# Altium PCB un52eGX16.PcbDoc (part 2 of 2)
Units mm, origin at the board's own origin, x right, y up, seen from the top; angles counter-clockwise.
Board outline 81.92 x 34.78 mm, 4 copper layers (Top Layer, Mid Layer 1, Mid Layer 2, Bottom Layer), stack 0.778 mm thick; 144 components, 102 nets, 516 pads, 217 vias.
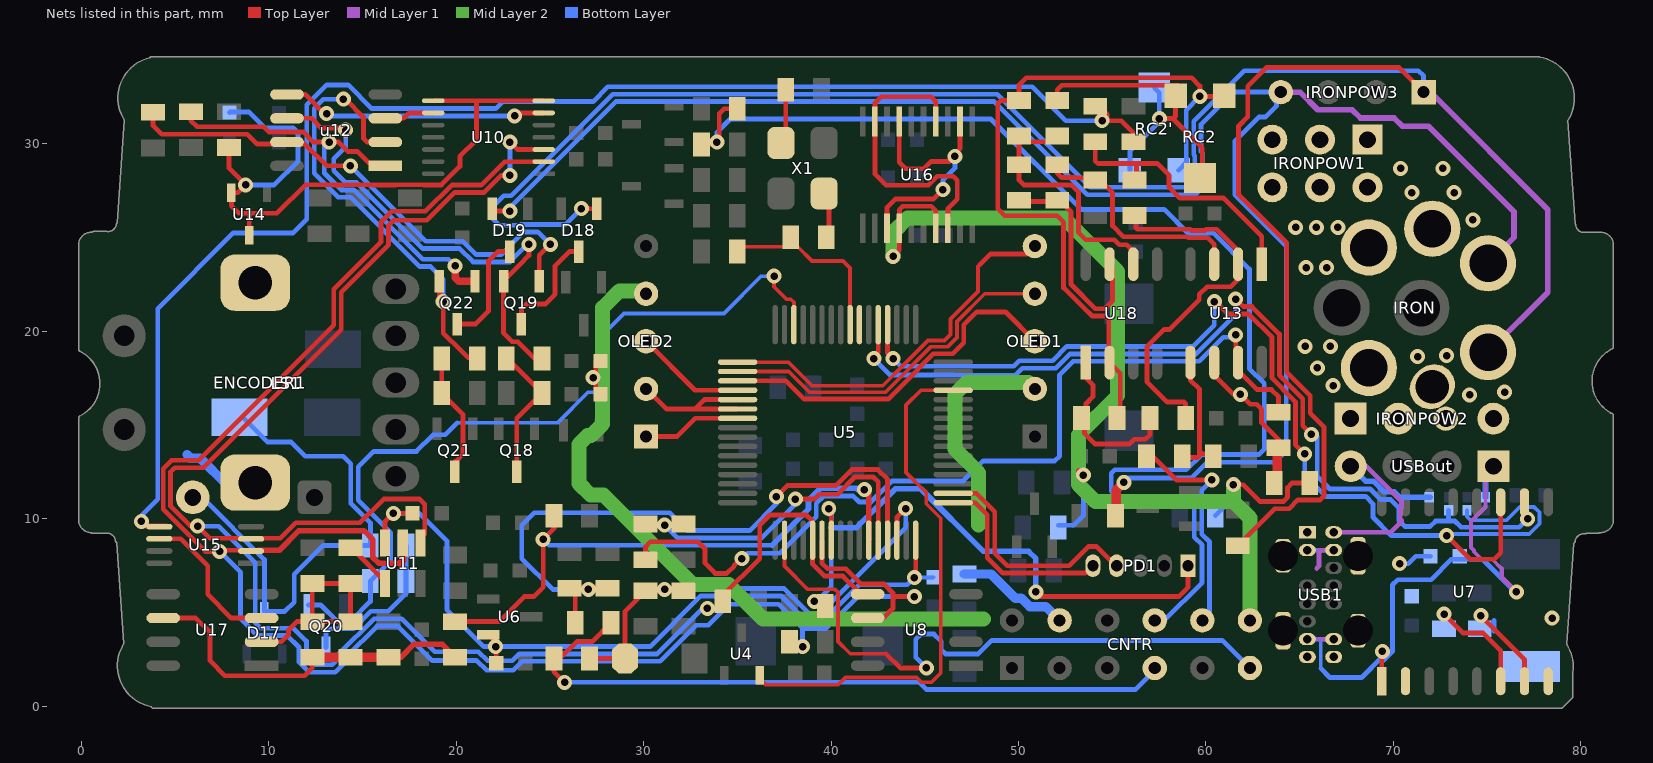
[diagram p4: the nets of this part, all layers, seen from the top]

## Via types
v1: diameter 0.8, hole 0.4, Top Layer to Bottom Layer, tented both sides, 215 vias
v2: diameter 4, hole 2.2, Top Layer to Bottom Layer, 2 vias

## Nets (pads, with @x,y where several pads share a name; then routed paths per layer and width w, separated by ;. In a path a pad name is that pad's centre, name@x,y a point inside that pad or via, vN(x,y) a via of type N, cw(c..) or ccw(c..) an arc to the next point about the centre after c; other vN are vias at no path point) (continued)
NetC57_1: C57.1 Q20.3 R32.1 | length 8.6
  Bottom Layer w0.254: Q20.3@13.05,3.107 13.05,4 13.182,4.132 14.524,4.132 15.447,5.055 16.377,5.055 17.315,5.993 C57.1@17.315,6.67 R32.1@17.315,8.575
NetC58_2: C58.2 R34.2 U10.7 U10.8 U14.2 U14.3 | length 37.3
  Top Layer w0.254: R34.2@7.874,29.809 7.874,28.702 v1(8.763,27.813) 8.343,27.393 U14.2@8,27.393 8,26.7 8.4,26.3 9,26.3 ; U14.3@8.95,25.125 8.95,26.25 9,26.3 ; U10.8@18.767,32.303 21.082,32.303 ; U10.7@24.667,32.303 21.082,32.303 ; 9,26.3 10.431,26.3 11.954,27.824 13.445,27.824 13.456,27.813 13.976,27.813 13.986,27.824 15.477,27.824 15.488,27.813 16.77,27.813 16.78,27.824 18.271,27.824 18.282,27.813 19.206,27.813 20.193,28.8 20.193,29.337 21.082,30.226 21.082,32.303
  Bottom Layer w0.254: C58.2@7.9,31.677 7.923,31.7 8.94,31.7 9.779,30.861 11.303,30.861 11.557,30.607 11.557,29.083 10.287,27.813 v1(8.763,27.813)
NetC66_1: C66.1 R49.1 R50.2 R60.1 U17.2 | length 11.6
  Top Layer w0.254: U17.2@9.61,3.429 10.668,3.429 11.049,3.81 11.049,4.064 11.491,4.506 R50.2@12.319,4.506 ; R50.2@12.319,4.506 C66.1@14.351,4.506 14.351,6.416 14.478,6.543 R60.1@12.319,6.543 R50.2@12.319,4.506
NetC66_2: C66.2 R50.1 R55.2 R58.1 U17.6 | length 19.1
  Top Layer w0.254: U17.6@4.36,4.699 6.096,4.699 6.858,3.937 6.858,2.413 7.654,1.617 11.904,1.617 12.319,2.032 R50.1@12.319,2.606
  Top Layer w0.3: R58.1@16.383,2.606 17.056,2.606 17.752,3.302 19.243,3.302 R55.2@19.939,2.606
  Top Layer w0.5: R50.1@12.319,2.606 R58.1@16.383,2.606
NetD17_3: D17.3 LS1.2 pad.2 R32.2 | length 27.5
  Bottom Layer w0.254: pad.2@5.937,11.137 6.446,11.137 9.762,7.821 D17.3@9.762,5.05 10.85,5.05 11.35,5.55 11.35,7.024 12.901,8.575 R32.2@15.416,8.575 15.416,9.772 14.372,10.815 14.372,12.928 13.965,13.335 11.938,13.335 11.176,14.097 9.906,14.097 LS1.2@8.598,15.405
NetD18_3: D18.3 Q19.3 | length 6
  Top Layer w0.254: Q19.3@23.477,20.386 23.477,21.191 23.749,21.463 24.765,21.463 25.273,21.971 25.273,23.495 26.035,24.257 D18.3@26.543,24.257
NetD19_3: D19.3 Q22.3 | length 6
  Top Layer w0.254: Q22.3@20.048,20.386 21.021,20.386 21.717,21.082 21.717,23.749 22.225,24.257 D19.3@22.86,24.257
NetENCODER1_6: ENCODER1.6 ENCODER1.7 | length 4.4
  Bottom Layer w0.5: 5.627,13.423 5.715,13.335 5.715,13.236 6.322,13.236 7.747,11.811 9.16,11.811 ENCODER1.6@9.273,11.924
NetQ18_3: Q18.3 R30.1 R31.2 | length 7.3
  Top Layer w0.254: R31.2@22.738,18.542 24.572,16.708 R30.1@24.572,16.703 24.572,16.698 23.223,15.349 Q18.3@23.223,12.512
NetQ19_1: Q19.1 R33.1 u12.7 | length 27.7
  Top Layer w0.254: R33.1@3.81,31.684 3.81,30.988 4.277,30.521 8.849,30.521 9.378,29.992 11.918,29.992 13.081,28.829 v1(14.351,28.829) ; Q19.1@24.427,22.672 24.427,24.046 v1(25.019,24.638)
  Bottom Layer w0.254: v1(14.351,28.829) 18.37,24.81 20.348,24.81 21.06,24.098 22.393,24.098 23.6,25.305 24.352,25.305 v1(25.019,24.638)
NetQ19_2: Q19.2 R31.1 u12.6 | length 26.7
  Top Layer w0.254: u12.6@10.964,31.369 12.274,31.369 12.795,30.848 14.11,30.848 14.097,30.835 v1(14.097,30.734) ; v1(23.876,24.638) 23.876,24.052 23.377,23.553 23.377,23.546 22.527,22.696 Q19.2@22.527,22.672 22.527,19.891 22.974,19.444 23.293,19.444 24.195,18.542 R31.1@24.638,18.542
  Bottom Layer w0.254: v1(14.097,30.734) 14.097,29.845 13.462,29.21 13.462,28.575 14.097,27.94 14.683,27.94 18.207,24.416 20.185,24.416 20.897,23.704 22.864,23.704 23.798,24.638 v1(23.876,24.638)
NetQ21_3: Q21.3 R35.1 R39.2 | length 6.7
  Top Layer w0.254: R39.2@19.225,18.542 R35.1@19.225,16.703 20.352,15.576 20.352,13.44 19.961,13.049 19.921,13.049 Q21.3@19.921,12.512
NetQ22_1: Q22.1 R44.1 u12.1 | length 24.4
  Top Layer w0.254: R44.1@5.842,31.709 5.842,31.242 6.169,30.915 9.725,30.915 9.999,30.641 11.826,30.641 12.368,30.099 v1(13.208,30.099) 13.716,30.099 14.224,29.591 14.732,29.591 15.494,28.829 u12.1@16.214,28.829
  Top Layer w0.4: v1(19.939,23.495) 19.939,22.86 20.127,22.672 Q22.1@20.998,22.672
  Bottom Layer w0.254: v1(13.208,30.099) 12.954,29.845 12.954,28.448 13.856,27.546 14.52,27.546 18.216,23.85 19.584,23.85 v1(19.939,23.495)
NetQ22_2: Q22.2 R39.1 u12.2 | length 24.7
  Top Layer w0.254: v1(13.97,32.385) 14.097,32.385 15.047,31.435 15.047,30.292 15.24,30.099 u12.2@16.214,30.099 ; Q22.2@19.098,22.672 19.098,21.796 v1(19.304,21.59) 19.304,19.902 19.762,19.444 19.78,19.444 20.616,18.608 R39.1@21.125,18.608
  Bottom Layer w0.254: v1(13.97,32.385) 12.9,32.385 12.414,31.899 12.414,28.431 13.693,27.152 14.356,27.152 18.052,23.456 18.626,23.456 19.304,22.778 v1(19.304,21.59)
NetR25_1: R25.1 U7.6 | length 5.5
  Top Layer w0.254: v1(72.72,4.902) 73.729,3.893 74.807,3.893 75.738,2.962 U7.6@75.738,1.325
NetR26_1: R26.1 U7.7 | length 5
  Top Layer w0.254: v1(74.676,4.826) 77.008,2.494 U7.7@77.008,1.325
  Bottom Layer w0.254: 75.387,4.003 75.387,4.572
NetR37_1: R37.1 R38.2 U13.6 | length 8.3
  Top Layer w0.254: U13.6@60.452,18.33 60.452,17.649 61.464,16.637 v1(61.849,16.637) 62.382,16.104 62.713,16.104 62.979,15.839 62.979,15.126 63.881,14.224 R38.2@63.881,13.782
  Top Layer w0.5: R37.1@63.82,11.938 63.82,13.721 R38.2@63.881,13.782
NetR38_1: R38.1 R45.2 U13.7 | length 47.3
  Top Layer w0.254: R45.2@30.099,7.813 30.099,8.509 30.353,8.763 32.893,8.763 33.274,8.382 33.274,7.62 33.814,7.08 34.439,7.08 34.83,7.471 34.83,7.525 35.179,7.874 v1(35.242,7.874) ; v1(61.595,19.812) 61.595,18.034 62.738,16.891 63.5,16.891 63.881,16.51 R38.1@63.881,15.936
  Bottom Layer w0.254: v1(35.242,7.874) 35.529,8.161 37.263,8.161 39.211,10.109 39.211,10.817 39.602,11.208 41.189,11.208 41.507,10.89 42.132,10.89 43.258,12.016 47.068,12.016 48.133,13.081 51.943,13.081 52.197,13.335 52.197,17.682 52.917,18.401 59.648,18.401 60.931,19.685 61.595,19.685 v1(61.595,19.812)
NetR42_1: R42.1 R48.1 U13.5 | length 7
  Top Layer w0.254: R42.1@58.672,13.272 59.563,13.272 59.658,13.367 59.658,13.621 ; U13.5@59.182,18.33 59.182,17.399 59.658,16.923 59.658,13.621 ; R48.1@60.391,13.462 59.817,13.462 59.658,13.621
NetR52_1: R52.1 R53.2 U13.2 | length 19.9
  Top Layer w0.254: R53.2@56.274,26.177 56.274,25.514 56.343,25.445 59.162,25.445 59.224,25.383 59.956,25.383 60.018,25.445 60.583,25.445 61.722,24.306 U13.2@61.722,23.58 61.722,22.765 61.341,22.384 60.066,22.384 59.653,21.971 59.653,21.68 58.076,20.103 57.785,20.103 56.862,19.18 56.862,17.306 57.944,16.224 58.833,16.224 58.923,16.134 R52.1@58.923,15.367
NetR52_2: R52.2 R54.2 U18.1 | length 8.9
  Top Layer w0.254: U18.1@53.594,18.33 53.594,17.526 53.975,17.145 53.975,16.51 53.607,16.142 53.607,15.314 53.533,15.24 53.533,14.539 54.089,13.983 55.918,13.983 56.172,14.237 56.769,14.237 57.023,14.491 R52.2@57.023,15.367
NetR53_1: R53.1 R56.2 U13.1 | length 14.1
  Top Layer w0.254: R56.2@54.102,30.114 54.102,29.083 54.229,28.956 56.261,28.956 ; R53.1@56.481,28.37 56.296,28.555 56.296,28.921 56.261,28.956 ; U13.1@62.992,23.58 62.992,25.073 60.952,27.113 58.612,27.113 58.039,27.686 58.039,28.321 57.404,28.956 56.261,28.956
NetR54_1: R54.1 R57.2 RC2'.1 RC2.1 U18.2 | length 40.4
  Top Layer w0.254: R54.1@55.433,15.24 55.433,17.761 U18.2@54.864,18.33 54.815,18.379 54.815,20.623 54.623,20.815 53.939,20.815 53.877,20.877 ; RC2.1@60.99,32.58 60.945,32.535 v1(59.69,32.535) 59.69,33.09 59.252,33.528 50.419,33.528 50.038,33.147 R57.2@50.038,32.319 49.083,32.319 48.895,32.131 48.895,26.543 49.276,26.162 52.07,26.162 52.412,25.82 52.412,22.313 53.721,21.004 ; 53.721,21.004 53.848,20.877 53.877,20.877 ; 53.721,21.004 53.75,21.004 53.877,20.877
  Bottom Layer w0.254: RC2'.1@58.55,28.6 RC2'.1@58.96,29.01 ; v1(59.69,32.535) 58.96,31.805 58.96,29.569 58.96,29.26 ; RC2'.1@58.96,29.01 58.972,29.022 58.972,29.249 58.96,29.26 ; RC2'.1@58.96,29.01 58.96,29.26
NetR57_1: R57.1 R59.2 R62.2 U18.6 | length 13.3
  Top Layer w0.254: R57.1@50.038,30.419 50.038,28.067 50.292,27.813 52.831,27.813 53.2,27.444 53.2,25.286 53.594,24.892 55.114,24.892 55.386,24.62 55.771,24.62 56.134,24.257 U18.6@56.134,23.58 ; 50.727,30.114 R59.2@52.07,30.114
NetR59_1: R59.1 RC2'.2 RC2'.3 RC2.2 RC2.3 | length 18.1
  Top Layer w0.254: R59.1@52.07,32.319 52.07,32.88 52.324,33.134 58.56,33.134 RC2.3@58.817,32.877 ; v1(57.522,31.35) 58.25,31.35 ; RC2.3@58.39,32.58 58.39,31.49 58.25,31.35 ; RC2.2@59.817,28.553 59.817,29.783 58.25,31.35
  Bottom Layer w0.254: RC2'.3@55.95,28.6 55.95,29.6 57.522,31.172 v1(57.522,31.35) 57.522,32.728 RC2'.2@57.25,33
NetR62_1: R62.1 R65.2 U18.7 | length 11.8
  Top Layer w0.254: R62.1@50.038,26.99 50.104,26.924 52.263,26.924 52.806,26.381 52.806,22.505 54.102,21.209 54.61,21.209 55.023,21.622 55.023,23.421 U18.7@54.864,23.58
NetR63_2: R63.2 R65.1 U13.3 | length 12.9
  Top Layer w0.254: R65.1@52.07,28.89 52.07,28.448 52.311,28.207 52.994,28.207 53.007,28.194 54.244,28.194 R63.2@54.432,28.382 ; R63.2@54.102,28.077 54.346,28.077 55.023,27.4 55.023,25.622 55.594,25.051 58.998,25.051 59.06,24.989 60.101,24.989 60.452,24.638 U13.3@60.452,23.58
NetR71_2: R71.2 X1.1 | length 3.4
  Top Layer w0.254: X1.1@37.585,29.544 37.585,32.886 R71.2@37.592,32.893
NetR72_1: R72.1 X1.3 | length 1.8
  Top Layer w0.254: R72.1@39.885,25.019 X1.3@39.885,26.844
NetU10_6: U10.6 u12.5 | length 14.2
  Top Layer w0.254: u12.5@10.964,32.639 11.938,32.639 12.954,31.623 v1(13.081,31.623) ; v1(23.114,31.496) 23.271,31.653 U10.6@24.667,31.653
  Bottom Layer w0.254: v1(13.081,31.623) 13.208,31.496 v1(23.114,31.496)
NetU10_9: U10.9 u12.3 | length 2.7
  Top Layer w0.254: u12.3@16.214,31.369 17.194,31.369 17.478,31.653 U10.9@18.767,31.653
NetU15_6: U15.6 U17.3 | length 8.1
  Top Layer w0.254: U15.6@4.15,8.925 5.299,8.925 6.731,7.493 6.731,5.969 8.001,4.699 U17.3@9.61,4.699
NetU16_3: U16.3 U16.12 U16.17 | length 14.3
  Top Layer w0.254: U16.3@42.985,25.5 42.993,25.508 42.993,26.61 43.447,27.064 45.479,27.064 v1(45.974,27.559) ; U16.17@43.635,31.2 43.635,29.411 43.635,29.009 43.974,28.67 44.955,28.67 ; 44.958,28.673 44.955,28.67 ; U16.12@46.885,31.2 46.885,29.994 ; 46.893,30.002 46.885,29.994 ; 44.955,28.67 45.349,29.064 46.336,29.064 v1(46.609,29.337) 46.482,29.337 46.885,29.74 46.885,29.994
  Bottom Layer w0.254: v1(45.974,27.559) 45.974,28.067 46.609,28.702 v1(46.609,29.337)
NetU16_8: U16.8 U16.14 U16.19 | length 14.6
  Top Layer w0.254: U16.14@45.593,31.965 45.593,32.258 45.339,32.512 42.672,32.512 42.343,32.183 42.343,28.396 42.939,27.8 45.199,27.8 45.675,28.276 46.527,28.276 46.736,28.067 46.736,27.051 46.243,26.558 46.243,26.201 U16.8@46.26,26.184
"OLED CS": OLED2.3 U5.52 | length 6
  Top Layer w0.254: OLED2.3@30.127,19.468 32.74,16.855 U5.52@35.015,16.855
"OLED D/C": OLED2.2 U5.53 U5.54 | length 7.8
  Top Layer w0.254: OLED2.2@30.127,16.928 31.2,15.855 32.766,15.855 ; U5.54@35.015,15.855 32.766,15.855 ; U5.53@35.015,16.355 33.246,16.355 33.246,16.335 32.766,15.855
"OLED RES": OLED2.1 U5.55 | length 5.3
  Top Layer w0.254: OLED2.1@30.127,14.388 31.787,14.388 32.754,15.355 U5.55@35.015,15.355
"OLED SCK": OLED1.5 U5.49 | length 20.7
  Top Layer w0.2: U5.49@35.015,18.355 37.719,18.355 38.984,17.09 42.76,17.09 43.947,18.277 43.947,18.283 45.173,19.509 46.052,19.509 46.378,19.835 46.378,20.659 47.842,22.123 47.842,23.458 47.912,23.528
  Top Layer w0.254: 47.912,23.528 48.514,24.13 50.459,24.13 OLED1.5@50.877,24.548
"OLED SDI": OLED1.4 U5.50 | length 19
  Top Layer w0.2: U5.50@35.015,17.855 37.738,17.855 38.843,16.75 42.901,16.75 44.287,18.136 44.287,18.142 45.314,19.169 46.22,19.169 46.718,19.667 46.718,20.518 48.208,22.008 OLED1.4@50.877,22.008
"OLED SDO": OLED1.3 U5.51 | length 19.4
  Top Layer w0.254: U5.51@35.015,17.355 37.592,17.355 38.564,16.383 43.053,16.383 44.654,17.984 44.654,17.99 45.466,18.802 46.488,18.802 47.085,19.399 47.085,20.342 47.777,21.034 49.311,21.034 OLED1.3@50.877,19.468
ON/OFF: CNTR.11 U5.2 | length 34.1
  Top Layer w0.2: U5.2@37.517,8.853 37.517,7.468 38.757,6.228 40.21,6.228 40.369,6.068 40.369,4.164 40.37,3.445 41.021,2.794 42.926,2.794
  Top Layer w0.254: 42.926,2.794 43.688,2.032 v1(45.085,2.032)
  Bottom Layer w0.254: v1(45.085,2.032) 44.52,2.597 44.52,3.553 44.809,3.842 45.488,3.842 45.879,3.451 45.879,3.016 46.113,2.782 47.856,2.782 48.579,3.505 60.884,3.505 CNTR.11@62.357,2.032
OSC1: C55.1 R72.2 U5.40 | length 9.6
  Top Layer w0.2: C55.1@34.986,24.257 35.24,24.511 38.227,24.511 38.984,23.754 40.635,23.754 41.016,23.373 41.016,20.358 U5.40@41.017,20.357
OSC2: U5.39
PGC: PD1.5 U5.17 | length 10.5
  Top Layer w0.254: U5.17@46.519,10.855 47.692,10.855 48.342,10.205 48.342,7.919 49.162,7.099 53.581,7.099 PD1.5@53.975,7.493
PGD: PD1.4 U5.18 | length 12.5
  Top Layer w0.254: U5.18@46.519,11.355 47.749,11.355 48.736,10.368 48.736,8.16 49.403,7.493 52.705,7.493 53.721,8.509 54.175,8.509 55.191,7.493 PD1.4@55.245,7.493
SCL: R28.2 U5.6 U8.6 U10.2 U11.5 U15.2 | length 104.5
  Top Layer w0.254: U15.2@9.435,8.311 7.422,8.311 v1(7.366,8.255) 6.602,8.255 5.533,9.324 5.533,9.333 4.356,10.51 4.356,12.663 4.806,13.113 6.255,13.113 13.462,20.32 13.462,22.25 15.977,24.765 15.977,25.822 16.555,26.401 18.351,26.401 19.755,27.804 21.327,27.804 22.576,29.053 U10.2@24.667,29.053 ; U5.6@39.517,8.853 39.517,7.629 39.817,7.329 40.797,7.329 41.615,6.511 42.829,6.511 43.307,6.032 43.307,5.715 ; U8.6@41.952,4.699 42.799,4.699 43.307,5.207 43.307,5.715 ; v1(44.45,5.842) 43.434,5.842 43.307,5.715
  Top Layer w0.3: U15.2@9.435,8.311 10.552,8.311 11.603,9.362 15.068,9.362 15.539,8.891 15.539,7.941 15.8,7.68 15.815,7.68 15.875,7.62 17.018,7.62 ; U11.5@17.272,8.695 U11.5@17.272,8.971
  Top Layer w0.4: 17.018,7.62 17.145,7.747 U11.5@17.145,8.695
  Bottom Layer w0.254: v1(7.366,8.255) 8.485,7.136 8.485,4.667 9.392,3.761 10.974,3.761 11.606,3.129 11.606,2.353 12.153,1.806 13.534,1.806 14.132,2.404 14.132,2.626 15.773,4.267 16.883,4.267 18.723,2.427 21.096,2.427 21.619,1.905 23.036,1.905 23.518,2.387 30.884,2.387 32.815,4.318 33.455,4.318 34.572,5.435 37.211,5.435 38.513,4.133 ; v1(38.481,3.175) 38.481,4.101 38.513,4.133 ; v1(44.45,5.842) 41.428,5.842 39.719,4.133 38.513,4.133
SDA: R27.2 U5.5 U8.5 U10.3 U11.4 U15.3 | length 100
  Top Layer w0.254: U11.4@18.115,8.971 18.316,9.172 18.316,10.779 18.046,11.049 16.129,11.049 14.859,9.779 11.43,9.779 10.612,8.961 6.839,8.961 v1(6.2,9.6) 5.824,9.6 4.75,10.674 4.75,12.5 4.969,12.719 6.496,12.719 13.856,20.079 13.856,22.087 16.383,24.614 16.383,25.654 16.653,25.924 18.431,25.924 19.918,27.41 21.49,27.41 22.401,28.321 v1(22.86,28.321) ; v1(22.86,30.099) 23.256,29.703 U10.3@24.667,29.703 ; v1(33.401,5.207) 33.848,5.207 R27.2@34.229,5.588 34.229,5.908 36.195,7.874 36.195,9.652 36.739,10.196 38.674,10.196 39.017,9.853 U5.5@39.017,8.853 39.017,7.572 39.654,6.935 40.634,6.935 41.6,5.969 U8.5@41.952,5.969
  Bottom Layer w0.254: v1(6.2,9.6) 7.32,9.6 9.27,7.65 9.27,4.439 9.555,4.155 11.311,4.155 12,3.466 12,2.516 12.316,2.2 13.371,2.2 13.738,2.568 13.738,2.789 15.61,4.661 17.089,4.661 18.854,2.896 21.184,2.896 21.668,2.413 22.987,2.413 23.355,2.781 30.721,2.781 33.147,5.207 v1(33.401,5.207) ; v1(22.86,28.321) v1(22.86,30.099)
SENSEA: D19.2 IRON.2 IRONPOW3.4 R61.2 | length 102.2
  Top Layer w0.254: D19.2@21.91,26.543 22.037,26.416 v1(22.86,26.416) ; v1@55.499,11.938 v1(55.626,11.938)
  Top Layer w0.5: R61.2@55.228,10.618 55.228,11.54 v1(55.626,11.938)
  Mid Layer 1 w0.3: IRONPOW3.4@64.003,32.766 65.034,32.766 65.974,31.826 67.81,31.826 68.25,31.386 70.048,31.386 70.488,30.946 71.882,30.946 76.45,26.378 76.45,25.016 IRON.2@75.062,23.628
  Bottom Layer w0.254: v1(22.86,26.416) 22.86,26.597 28.521,32.258 48.706,32.258 53.675,27.289 59.424,27.289 59.811,27.676 59.811,29.524 59.748,29.587 59.748,31.043 61.472,32.767 IRONPOW3.4@64.003,32.766 IRONPOW3.4@64.003,32.766 ; v1(55.626,11.938) 55.626,12.027 55.48,12.173 59.238,12.173 60.071,13.006 63.679,13.006 64.3,13.627 64.3,24.55 61.55,27.3 61.55,30.15 62.833,31.433 63.183,31.433 63.767,32.017 63.767,32.226 63.697,32.297 IRONPOW3.4@64,32.6
SENSEB: D18.1 IRON.1 IRONPOW3.1 R64.2 | length 125
  Top Layer w0.254: v1@26.543,26.543 v1(26.67,26.543) D18.1@27.493,26.543 ; R64.2@61.706,8.562 63.672,10.528 64.441,10.528 64.911,10.998 66.105,10.998 66.304,11.197 66.304,14.896 65.571,15.629 65.571,16.569 64.322,17.818 64.322,24.728 61.75,27.3 61.75,30.957 62.233,31.44 62.233,33.083 63.227,34.077 70.312,34.077 IRONPOW3.1@71.623,32.766
  Mid Layer 1 w0.3: IRONPOW3.1@71.623,32.766 71.984,32.766 78.25,26.5 78.25,22.076 IRON.1@75.062,18.888
  Bottom Layer w0.254: v1(26.67,26.543) 25.826,25.699 23.437,25.699 23.392,25.654 22.294,25.654 21.921,26.027 21.921,26.62 22.529,27.228 22.932,27.228 28.356,32.652 48.87,32.652 53.839,27.683 59.261,27.683 59.417,27.839 59.417,29.361 59.354,29.424 59.354,31.206 62.057,33.909 71.341,33.909 71.623,33.627 IRONPOW3.1@71.623,32.766 ; IRONPOW3.1@71.89,32.6 IRONPOW3.1@71.89,32.766
SGND: C63.2 C64.2 CNTR.12 R37.2 U16.4 U16.7 | length 61.6
  Top Layer w0.254: v1(43.307,24.003) 43.635,24.331 U16.4@43.635,25.5 43.635,26.49 43.669,26.524 ; U16.4@43.643,25.611 43.669,25.636 43.669,26.524 ; U16.7@45.585,25.5 45.585,26.424 ; 45.593,26.416 45.585,26.424 ; v1@53.206,12.58 v1(53.467,12.319) v1@53.594,12.192 ; v1(61.468,11.811) 61.989,11.811 62.878,10.922 64.15,10.922 64.15,10.943 64.361,11.154 64.361,11.661 64.6,11.9 R37.2@65.55,11.9 ; R37.2@65.72,11.9 R37.2@65.72,12.065 ; 43.669,26.524 43.815,26.67 45.339,26.67 45.585,26.424
  Mid Layer 2 w0.8: v1(43.307,24.003) 43.307,25.273 44.069,26.035 52.451,26.035 55.296,23.19 55.296,16.561 53.213,14.478 53.213,11.811 54.102,10.922 61.468,10.922 ; v1(61.468,11.811) 61.468,10.922 ; CNTR.12@62.357,4.445 CNTR.12@62.357,4.572 62.357,10.033 61.468,10.922
  Bottom Layer w0.254: C63.2@52.131,9.652 52.959,9.652 53.467,10.16 v1(53.467,12.319) ; C64.2@60.513,10.16 61.468,11.115 v1(61.468,11.811)
SHUNT: CNTR.10 R42.2 | length 12.1
  Top Layer w0.254: R42.2@56.772,13.272 57.215,13.272 58.421,12.065 v1(60.325,12.065)
  Bottom Layer w0.254: CNTR.10@59.817,4.572 60.198,4.953 60.198,8.763 59.779,9.182 59.779,11.519 v1(60.325,12.065)
SLEEP: CNTR.8 R12.1 R23.2 | length 68.2
  Top Layer w0.254: R12.1@33.086,29.972 33.782,29.972 v1(33.909,30.099) 34.036,30.226 34.036,31.623 34.29,31.877 R23.2@34.986,31.877
  Bottom Layer w0.254: v1(33.909,30.099) 33.909,30.607 34.632,31.33 48.52,31.33 53.349,26.501 57.778,26.501 59.051,25.228 60.421,25.228 62.331,23.318 62.331,18.011 63.119,17.223 63.119,13.716 62.827,13.424 59.779,13.424 58.96,12.605 55.15,12.605 54.959,12.414 54.959,11.462 55.232,11.189 59.229,11.189 59.385,11.033 59.385,9.018 59.804,8.6 59.804,6.591 57.785,4.572 CNTR.8@57.277,4.572
SPEAKER: C57.2 Q20.1 U5.46 | length 43.6
  Top Layer w0.2: v1(36.956,22.944) 36.956,22.379 37.624,21.712 37.851,21.712 38.017,21.546 U5.46@38.017,20.357
  Bottom Layer w0.2: 20.051,15.113 25.4,15.113 27.035,16.748 27.432,16.748 28.067,17.383 28.067,20.066 28.956,20.955 34.29,20.955 36.279,22.944 v1(36.956,22.944)
  Bottom Layer w0.254: Q20.1@12.1,5.393 12.772,5.393 13.639,4.526 14.361,4.526 15.416,5.581 C57.2@15.416,6.67 16.492,7.747 16.492,9.253 14.766,10.979 14.766,12.766 15.589,13.589 17.871,13.589 18.76,14.478 19.416,14.478 20.051,15.113
USBD+: R102.2 U5.37 U7.10 | length 49.2
  Top Layer w0.254: v1(42.291,18.542) 42.291,18.669 42.517,18.895 U5.37@42.517,20.357 ; v1(61.595,21.717) 61.995,21.317 62.462,21.317 63.928,19.851 63.928,17.655 65.177,16.406 65.177,14.96 v1(65.637,14.5)
  Bottom Layer w0.254: v1(42.291,18.542) 43.167,17.666 46.518,17.666 46.531,17.653 49.833,17.653 50.214,18.034 51.992,18.034 52.753,18.795 59.484,18.795 61.595,20.906 v1(61.595,21.717) ; v1(65.637,14.5) 65.85,14.5 65.945,14.405 65.945,12.255 66.616,11.584 68.766,11.584 69.333,11.017 69.876,11.017 70.3,10.593 70.3,9.907 70.624,9.583 71.976,9.583 72.263,9.869 72.95,9.869 ; R102.2@72.958,10.45 72.95,10.442 72.95,9.869 ; v1(77.172,9.989) 76.726,9.543 73.626,9.543 73.3,9.869 72.95,9.869
USBD-: R103.2 U5.36 U7.11 | length 59.5
  Top Layer w0.254: U5.36@43.017,20.357 43.017,18.832 v1(43.307,18.542) ; v1(60.452,21.59) 60.525,21.59 61.192,20.923 62.299,20.923 63.534,19.688 63.534,17.492 64.626,16.4 64.626,16.394 64.783,16.237 64.783,15.127 64.77,15.114 64.783,15.101 64.783,13.957 v1(65.278,13.462) ; v1(72.85,9.1) 74.117,7.833 75.383,7.833 75.738,8.188 U7.11@75.738,10.875
  Bottom Layer w0.2: v1(72.85,9.1) 72.926,9.176 77.264,9.176 77.812,9.724 77.812,10.338 77.521,10.629 76.75,10.629 76.031,9.91 74.14,9.91 73.942,10.108 R103.2@73.942,10.45
  Bottom Layer w0.254: v1(43.307,18.542) 43.72,18.129 49.752,18.129 50.051,18.428 51.829,18.428 52.59,19.189 59.321,19.189 60.452,20.32 v1(60.452,21.59) ; v1(65.278,13.462) 65.278,12.322 66.41,11.19 68.526,11.19 68.917,10.799 68.917,10.09 69.907,9.1 v1(72.85,9.1)
USBGND: C53.2 C54.1 R101.1 RGND1.2 U7.2 U7.8 USB1.1 USB1.7 USB1.8 USB1.14 USB1.15 USBout.4 | length 15.4
  Mid Layer 1 w0.254: USB1.14@66.823,9.271 69.871,9.271 70.45,9.85 70.45,9.907 70.383,9.974 70.383,10.526 70.45,10.593 70.45,10.9 68.45,12.9 USBout.4@67.56,12.9
  Bottom Layer w0.254: v1(70.35,7.6) 70.809,7.6 71.21,8.001 C53.2@71.994,8.001
  Bottom Layer w0.3: USBout.4@67.73,12.8 68.529,12.001 68.949,12.001 69.516,11.434 70.049,11.434 70.333,11.15 R101.1@71.975,11.15
  other v1: 78.486,4.699
VABC: C62.1 R55.1 U5.11 | length 31.1
  Top Layer w0.254: R55.1@19.939,4.506 22.286,4.506 23.622,5.842 24.13,5.842 24.638,6.35 v1(24.638,8.89) 25.212,9.464 C62.1@25.212,10.16
  Top Layer w0.3: v1(41.783,11.557) 42.017,11.323 U5.11@42.017,8.853
  Bottom Layer w0.254: v1(24.638,8.89) 24.95,8.578 36.849,8.578
  Bottom Layer w0.3: 36.849,8.578 38.794,10.523 38.794,10.99 39.429,11.625 41.361,11.625 41.429,11.557 v1(41.783,11.557)
VACDC: C61.2 R47.2 R51.2 U5.13 | length 35.3
  Top Layer w0.254: R51.2@26.035,6.289 26.355,5.969 R47.2@26.355,4.445 ; v1(37.084,11.176) 37.673,11.765 40.259,11.765 41.112,12.618 42.5,12.618 43.017,12.101 U5.13@43.017,8.853
  Top Layer w0.4: R51.2@26.035,6.289 C61.2@28.067,6.289
  Bottom Layer w0.254: v1(27.051,6.223) 25.146,6.223 23.495,7.874 23.495,9.652 24.162,10.319 31.391,10.319 32.344,9.366 35.655,9.366 37.084,10.795 v1(37.084,11.176)
VBUS1: C53.1 R104.1 U7.1 USB1.2 USB1.6 USB1.9 USB1.13 USBout.1 | length 36.7
  Top Layer w0.254: U7.1@69.388,1.325 69.388,2.884 v1(69.426,2.922) v1@69.426,2.73
  Mid Layer 1 w0.2: USBout.1@75.35,12.8 74.925,12.375 74.925,10.625 74.15,9.85 74.15,8.46 74.31,8.3 74.31,8.235 74.685,7.86 75.262,7.86 75.8,7.321
  Mid Layer 1 w0.254: 65.919,7.342 66.04,7.463 66.04,8.321 USB1.13@66.823,8.321 ; 66.04,3.571 USB1.9@66.823,3.571 ; USBout.1@75.18,12.9 USBout.1@75.315,12.765 ; USBout.1@75.35,12.8 USBout.1@75.8,12.35 ; 75.8,7.321 75.8,6.877 v1(76.581,6.096)
  Bottom Layer w0.2: 66.133,2.017 66.133,3.571
  Bottom Layer w0.254: USB1.6@65.423,3.571 66.133,3.571 USB1.9@66.823,3.571 ; USB1.2@65.423,8.321 USB1.13@66.823,8.321 ; 66.133,2.017 66.626,1.524 68.326,1.524 v1@69.426,2.624 ; v1(69.426,2.922) v1@69.426,2.624 ; v1@76.553,6.012 76.581,5.984 v1(76.581,6.096) 76.501,6.096 74.768,7.83 73.108,7.83 72.019,6.741 70.241,6.741 69.96,6.46 69.96,2.904 69.469,2.413 69.426,2.456 v1@69.426,2.624
  Bottom Layer w0.3: R104.1@74.925,11.15 74.925,12.375 USBout.1@75.35,12.8
VGND: c34.1 c35.1 c88.1 CNTR.4 OLED1.2 OLED2.4 | length 57.3
  Top Layer w0.254: c34.1@27.447,16.637 c35.1@27.447,18.415
  Mid Layer 2 w0.8: OLED2.4@29.986,22.149 28.702,22.149 27.813,21.26 27.813,15.054 27.186,14.427 27,14.427 26.543,13.97 26.543,11.879 27.17,11.252 27.864,11.252 32.639,6.477 34.544,6.477 36.373,4.648 48.133,4.648 ; 47.879,9.652 47.879,12.446 46.609,13.716 46.609,16.637 47.244,17.272 50.533,17.272 OLED1.2@50.877,16.928 ; CNTR.4@52.197,4.445 CNTR.4@52.197,4.572
  Bottom Layer w0.5: c88.1@47.117,7.046 48.539,7.046 49.823,5.762 50.15,5.762 50.606,5.306 51.463,5.306 CNTR.4@52.197,4.572
  other v1: 27.305,17.526
VIN: CNTR.7 R43.1 R47.1 | length 37.4
  Top Layer w0.254: v1(25.781,1.27) 25.212,1.839 R43.1@25.212,2.54 25.527,2.54 26.429,3.442 27.252,3.442 R47.1@28.255,4.445
  Bottom Layer w0.254: v1(25.781,1.27) 44.704,1.27 45.085,0.889 56.261,0.889 CNTR.7@57.277,1.905
VINT: C60.1 R43.2 R46.1 U5.14 ZD4.2 | length 26.4
  Top Layer w0.254: R43.2@27.112,2.54 28.879,2.54 29.006,2.413 ZD4.2@29.006,2.54 29.006,5.064 R46.1@30.099,6.157 C60.1@32.131,6.157 ; U5.14@43.517,8.853 43.517,10.075 v1(43.983,10.541)
  Bottom Layer w0.254: v1(31.115,6.223) 31.16,6.268 37.493,6.268 38.84,4.921 39.392,4.921 43.983,9.511 v1(43.983,10.541)
VOFF: R49.2 U11.1 | length 2.6
  Top Layer w0.254: R49.2@14.478,8.443 14.478,8.382 16.195,6.665 U11.1@16.195,6.545
VOUT1+: IRON.3 IRONPOW1.1 IRONPOW1.3 IRONPOW1.5
  other v1: 74.25,25.95 71,27.4 73.25,27.4 70.4,28.7 72.65,28.7
VOUT1-: IRON.4 IRONPOW1.2 IRONPOW1.4 IRONPOW1.6
  other v1: 65.35,23.4 66.451,23.4 64.8,25.55 65.901,25.55 67.05,25.55
VOUT2+: IRON.7 IRONPOW2.3 IRONPOW2.4
  other v1: 74.08,16.61 75.95,16.75 71.3,18.65 72.85,18.7
VOUT2-: IRON.6 IRONPOW2.1 IRONPOW2.2
  other v1: 66.8,17.1 65.95,18.05 65.3,19.2 66.65,19.2
VPP: PD1.1 R11.2 U5.7 | length 32
  Top Layer w0.254: v1(39.878,10.541) 40.017,10.402 U5.7@40.017,8.853 ; v1(50.93,6.099) 51.187,5.842 58.547,5.842 59.055,6.35 PD1.1@59.055,7.493
  Bottom Layer w0.254: v1(39.116,5.588) 39.243,5.588 40.017,6.362 40.017,9.525 40.017,10.148
  Bottom Layer w0.3: v1(39.878,10.541) 40.017,10.402 40.017,10.148 ; 40.017,9.525 41.357,9.525 43.431,11.599 44.789,11.599 48.133,8.255 50.546,8.255 50.93,7.871 v1(50.93,6.099) 50.93,5.972 v1@50.927,5.969
VREF: C42.1 C43.1 C44.1 U5.16 U6.2 U11.6 | length 43.2
  Top Layer w0.254: U11.6@16.195,8.695 16.195,9.845 v1@16.495,10.145 ; v1@16.495,10.287 v1@16.495,10.145 ; C43.1@17.668,10.287 v1(16.637,10.287) v1@16.495,10.145 ; U6.2@21.717,3.81 22.134,3.393 C42.1@22.134,2.286 ; v1(44.45,6.858) 44.517,6.925 U5.16@44.517,8.853
  Bottom Layer w0.2: v1(44.45,6.858) 45.451,6.858 C44.1@45.466,6.873
  Bottom Layer w0.254: v1(16.637,10.287) 18.023,10.287 19.5,8.81 19.5,5.138 21.463,3.175 v1(22.098,3.175) 30.353,3.175 33.052,5.874 37.33,5.874 38.677,4.527 39.555,4.527 41.505,6.477 44.069,6.477 v1(44.45,6.858)
VRT: U4.2 U5.29 | length 28.3
  Top Layer w0.2: U4.2@36.129,1.524 36.51,1.143 40.386,1.143 40.767,1.524 44.577,1.524 44.831,1.27 45.355,1.27 45.852,1.767 45.852,10.028 45.085,10.795 45.085,11.43 45.05,11.465 45.006,11.465 44.003,12.469 44.003,16.063 44.795,16.855 U5.29@46.519,16.855
VSHUNT: C59.1 R45.1 U5.12 | length 16.3
  Top Layer w0.254: v1(38.1,11.049) 39.116,11.049 39.37,11.303 40.354,11.303 41.275,12.224 42.259,12.224 42.517,11.966 42.517,8.887 42.5,8.87 U5.12@42.517,8.853
  Bottom Layer w0.254: v1(31.115,9.652) 31.795,8.972 36.3,8.972 v1@38.227,10.899
VTEMP: C65.1 R56.1 U15.5 | length 77.7
  Top Layer w0.254: v1(3.2,9.85) 3.439,9.611 U15.5@4.535,9.611 ; C65.1@56.134,30.114 56.134,30.607 55.499,31.242 v1@54.737,31.242 ; v1@54.737,31.242 54.737,31.586 54.465,31.859 v1(54.465,31.242) v1@54.737,31.242
  Bottom Layer w0.254: v1(3.2,9.85) 3.2,9.885 3.05,10.035 4.064,11.049 4.064,21.209 8.105,25.25 11.3,25.25 12.02,25.97 12.02,32.086 13.081,33.147 14.224,33.147 15.481,31.89 22.111,31.89 22.479,32.258 27.305,32.258 28.093,33.046 50.728,33.046 52.532,31.242 ; 52.532,31.242 v1(54.465,31.242)
pads on no net: LS1.3 U5.4 U5.21 U5.22 U5.23 U5.24 U5.27 U5.31 U5.32 U5.47 U5.58 U5.59 U5.60 U5.61 U10.11 U16.15 U17.1 U17.5 U17.8 USB1.5 USB1.12
copper on no net:
  other v2: 4.5,26.543 76,32.35

## Polygon pours and split planes (outlines as drawn)
VOUT2+ on Mid Layer 2 "VOUT2+_L03_P153" (solid, pour order 153): 71.3,19.65 70.75,19.1 70.75,16.5 71.55,15.7 71.55,14.05 71.7,13.9 76.65,13.9 76.95,14.2 76.95,16.55 76.05,17.45 74.255,17.45 72.945,19.65
VOUT2- on Mid Layer 2 "VOUT2-_L03_P147" (solid, pour order 147): 71.35,13.9 66.8,13.9 65.75,14.95 65.75,16.85 64.65,17.95 64.65,19.5 65,19.85 65.35,19.85 69.8,19.85 70.55,19.1 70.55,16.4 71.35,15.6
VOUT1+ on Mid Layer 2 "VOUT1+_L03_P143" (solid, pour order 143): 63.821,31.971 62.05,30.2 61.95,30.2 61.95,28.8 69.05,28.8 69.669,28.181 69.669,26.55 71.2,23.2 72.65,23.2 75.75,26.3 75.75,29.1 72.922,31.928
VOUT1- on Mid Layer 2 "VOUT1-_L03_P135" (solid, pour order 135): 61.95,28.6 61.95,27.45 64.7,24.7 64.7,22.9 65,22.6 70.1,22.6 70.875,23.375 69.45,26.498 69.45,27.793 68.643,28.6
VGND on Mid Layer 2 "VGND_L03_P022" (solid, pour order 98): 26.162,19.092 27.474,19.05 27.559,18.203 27.559,16.002 27.502,15.917 26.46,15.917 25.4,16.976 25.4,19.092
VGND on Mid Layer 2 "VGND_L03_P020" (solid, pour order 97): 47.498,9.525 47.498,4.191 48.133,3.556 52.578,3.556 53.34,4.318 53.34,5.588 50.722,5.588 48.26,8.05 48.26,9.88 47.524,9.88 47.498,9.906
GND on Mid Layer 2 "GND_L03_P024" (solid, remove dead copper, pour order 99): 32 vertices, not listed, extent 0.605,0.526 79.2,34.054
USBGND on Mid Layer 2 "USBGND_L03_P006" (solid, remove dead copper, pour order 91): 67.911,10.1 68.45,9.55 69.669,9.579 70.993,8.255 70.993,8.001 74.676,8.001 75.565,7.112 78.991,7.112 78.742,1.758 77.746,0.762 64.77,0.762 63.373,2.159 63.373,8.636 64.135,9.398 64.837,10.1
GND on Bottom Layer "GND_L04_P014" (solid, remove dead copper, pour order 95): 22 vertices, not listed, extent 0.571,0.381 64.008,34.036
GND on Bottom Layer "GND_L04_P034" (solid, pour order 100): 59.186,10.3 69.55,10.3 71.214,8.636 74.664,8.636 76.061,7.239 78.837,7.239 79.25,7.652 79.25,10.986 77.79,12.446 66.675,12.446 63.119,16.002 58.968,16.002
VOUT2+ on Bottom Layer "VOUT2+_L04_P155" (solid, pour order 155): 71.3,19.65 70.75,19.1 70.75,16.5 71.55,15.7 71.55,14.05 71.7,13.9 76.65,13.9 76.95,14.2 76.95,16.55 76.05,17.45 74.255,17.45 72.945,19.65
VOUT2- on Bottom Layer "VOUT2-_L04_P149" (solid, pour order 149): 71.35,13.9 66.8,13.9 65.75,14.95 65.75,16.85 64.65,17.95 64.65,19.5 65,19.85 65.35,19.85 69.8,19.85 70.55,19.1 70.55,16.4 71.35,15.6
VOUT1- on Bottom Layer "VOUT1-_L04_P137" (solid, pour order 137): 61.95,28.6 61.95,27.45 64.7,24.7 64.7,22.9 65,22.6 70.1,22.6 70.875,23.375 69.45,26.498 69.45,27.793 68.643,28.6
VOUT1+ on Bottom Layer "VOUT1+_L04_P119" (solid, pour order 119): 63.821,31.971 62.05,30.2 61.95,30.2 61.95,28.8 69.05,28.8 69.669,28.181 69.669,26.55 71.2,23.2 72.65,23.2 75.75,26.3 75.75,29.1 72.922,31.928
NetENCODER1_6 on Bottom Layer "NETENCODER1_6_L04_P002" (solid, pour order 90): 20 vertices, not listed, extent 4.336,9.906 11.811,24.892
USBGND on Bottom Layer "USBGND_L04_P008" (solid, remove dead copper, pour order 92): 67.85,10.1 68.55,9.4 69.196,9.406 70.347,8.255 75.184,8.255 76.327,7.112 78.438,7.112 78.863,6.687 78.438,1.452 77.96,0.762 64.77,0.762 63.373,2.159 63.373,8.636 64.837,10.1
VOUT2+ on Mid Layer 1 "VOUT2+_L02_P151" (solid, pour order 151): 71.3,19.65 70.75,19.1 70.75,16.5 71.55,15.7 71.55,14.05 71.7,13.9 76.65,13.9 76.95,14.2 76.95,16.55 76.05,17.45 74.255,17.45 72.945,19.65
VOUT2- on Mid Layer 1 "VOUT2-_L02_P145" (solid, pour order 145): 71.35,13.9 66.8,13.9 65.75,14.95 65.75,16.85 64.65,17.95 64.65,19.5 65,19.85 65.35,19.85 69.8,19.85 70.55,19.1 70.55,16.4 71.35,15.6
VOUT1+ on Mid Layer 1 "VOUT1+_L02_P141" (solid, pour order 141): 63.821,31.971 62.05,30.2 61.95,30.2 61.95,28.8 69.05,28.8 69.669,28.181 69.669,26.55 71.2,23.2 72.65,23.2 75.75,26.3 75.75,29.1 72.922,31.928
VOUT1- on Mid Layer 1 "VOUT1-_L02_P133" (solid, pour order 133): 61.95,28.6 61.95,27.45 64.7,24.7 64.7,22.9 65,22.6 70.1,22.6 70.875,23.375 69.45,26.498 69.45,27.793 68.643,28.6
3.3v on Mid Layer 1 "3.3V_L02_P012" (solid, remove dead copper, pour order 94): 31 vertices, not listed, extent 0.635,0.494 79.15,34.036
VBUS1 on Mid Layer 1 "VBUS1_L02_P010" (solid, remove dead copper, pour order 93): 64.643,0.762 77.662,0.762 78.395,1.495 78.863,6.687 78.625,6.925 72.45,6.925 69.325,10.05 64.787,10.05 63.373,8.636 63.373,2.032
VOUT1+ on Top Layer "VOUT1+_L01_P139" (solid, pour order 139): 63.821,31.971 62.05,30.2 61.95,30.2 61.95,28.8 69.05,28.8 69.669,28.181 69.669,26.55 71.2,23.2 72.65,23.2 75.75,26.3 75.75,29.1 72.922,31.928
VOUT2+ on Top Layer "VOUT2+_L01_P125" (solid, pour order 125): 71.3,19.65 70.75,19.1 70.75,16.5 71.55,15.7 71.55,14.05 71.7,13.9 76.65,13.9 76.95,14.2 76.95,16.55 76.05,17.45 74.255,17.45 72.945,19.65
VOUT2- on Top Layer "VOUT2-_L01_P123" (solid, pour order 123): 71.35,13.9 66.8,13.9 65.75,14.95 65.75,16.85 64.65,17.95 64.65,19.5 65,19.85 65.35,19.85 69.8,19.85 70.55,19.1 70.55,16.4 71.35,15.6
VOUT1- on Top Layer "VOUT1-_L01_P121" (solid, pour order 121): 61.95,28.6 61.95,27.45 64.7,24.7 64.7,22.9 65,22.6 70.1,22.6 70.875,23.375 69.45,26.498 69.45,27.793 68.643,28.6
GND on Top Layer "GND_L01_P050" (solid, pour order 105): 76.811,12.446 78.546,12.446 79.15,11.842 79.15,7.776 78.867,7.493 76.2,7.493 76.2,7.588 75.057,8.731 71.406,8.731 69.723,10.414 68.909,9.6 62.611,9.6 62.611,12.446
USBGND on Top Layer "USBGND_L01_P036" (solid, remove dead copper, pour order 101): 17 vertices, not listed, extent 63.5,0.762 78.65,10.058
GND on Top Layer "GND_L01_P016" (solid, remove dead copper, pour order 96): 30 vertices, not listed, extent 0.635,0.508 63.928,34.036
no net on Bottom Overlay (solid): 165 vertices, not listed, extent 29.123,4.067 30.71,5.723
no net on Bottom Overlay (solid): 127 vertices, not listed, extent 27.926,4.097 29.18,5.302
no net on Bottom Overlay (solid): 27.551,5.276 27.233,5.276 27.48,4.097 27.796,4.097
no net on Bottom Overlay (solid): 27.457,5.723 27.14,5.723 27.2,5.436 27.517,5.436
no net on Bottom Overlay (solid): 321 vertices, not listed, extent 25.719,4.067 27.112,5.75
no net on Bottom Overlay (solid): 130 vertices, not listed, extent 24.379,4.067 25.603,5.302
no net on Bottom Overlay (solid): 23.927,5.723 23.609,5.723 23.949,4.097 24.265,4.097
no net on Bottom Overlay (solid): 103 vertices, not listed, extent 22.188,4.067 23.588,5.723
no net on Bottom Overlay (solid): 172 vertices, not listed, extent 21.074,4.067 22.202,5.302
no net on Bottom Overlay (solid): 70 vertices, not listed, extent 19.994,4.097 20.997,5.302
no net on Bottom Overlay (solid): 93 vertices, not listed, extent 24.695,4.313 25.284,5.062
no net on Bottom Overlay (solid): 97 vertices, not listed, extent 22.726,4.306 23.278,5.068
no net on Bottom Overlay (solid): 43 vertices, not listed, extent 21.365,4.779 21.864,5.075

## Other copper
Bottom Layer:
  rectangle net EARTH: 65.15,32.1 67.9,33.55

## Silkscreen, mask and mechanical layers (free items; w line width, h text height)
Top Overlay:
  lines w0.2: 30.734,11.268 31.116,11.05 31.496,11.303 ; 31.115,11.049 31.115,12.446
  text "ET" at 65.85,33.5 h0.8
  text "ID" at 68.5,33.5 h0.8
  text "SB" at 70.95,33.5 h0.8
  text "SA" at 63.3,33.45 h0.8
  text "GND" at 12.573,21.971 h0.8
  text "3.3V" at 0.635,21.209 h0.8
  text "B3" at 12.7,19.685 h0.8
  text "3.3V" at 12.319,16.891 h0.8
  text "B1" at 12.827,14.224 h0.8
  text "B2" at 0.762,12.319 h0.8
  text "B2" at 12.827,11.811 h0.8
Bottom Overlay:
  circle w0.254: c9.037,11.087 r5.729
  lines w0.152: 24.718,2.165 25.124,2.165 25.259,2.3 25.259,2.571 25.124,2.707 24.718,2.707 ; 25.53,2.165 26.072,2.165 25.53,2.707 25.53,2.842 25.666,2.978 25.936,2.978 26.072,2.842 ; 27.02,2.978 27.562,2.978 27.562,2.571 27.291,2.707 27.155,2.707 27.02,2.571 27.02,2.3 27.155,2.165 27.426,2.165 27.562,2.3 ; 26.614,2.165 26.614,2.3 26.749,2.3 26.749,2.165 26.614,2.165
  lines w0.254: 73.05,21.2 74.32,21.2
  lines w0.305: 19.862,3.69 30.834,3.69
  text "V1-" at 63.881,32.004 h0.8 r15
  text "V1+" at 75.35,26.5 h0.8
  text "V1-" at 66.9,24.1 h0.8
  text "SA" at 78.15,23.35 h0.8
  text "ID" at 65.7,20.9 h0.8
  text "EARTH" at 78.55,20.8 h0.8
  text "SB" at 78.05,18.4 h0.8
  text "V2-" at 67.05,17.7 h0.8
  text "V2+" at 75.4,16.5 h0.8
  text "V2+" at 73.75,13.85 h0.8
  text "V2+" at 76.2,13.85 h0.8
  text "V2-" at 71.2,13.8 h0.8
  text "V2-" at 68.6,13.7 h0.8
  text "VBUS" at 65.945,12.4 h0.8
  text "D+" at 70.9,10.95 h0.8
  text "USBG" at 68.75,10.85 h0.8
  text "D-" at 73.9,9.1 h0.8
  text "BUZZER" at 11.25,8.1 h0.9
  text "Alter by chaolunV1.3" at 30.7,1 h0.9
Mechanical 1:
  lines w0.254: -0.032,9.89 ccw(c0.54,9.954) 0.603,9.382 ; -0.032,9.906 -0.032,15.367 ccw(c-0.942,17.209) -0.032,19.05 -0.032,24.638 ; -0.032,24.654 cw(c0.54,24.59) 0.721,25.136 ; 0.586,9.35 1.25,9.35 ; 0.636,25.2 1.35,25.2 ccw(c1.413,25.772) 1.985,25.708 ; 1.3,9.35 cw(c1.363,8.778) 1.935,8.842 ; 1.993,8.879 2.389,3.25 ; 2.021,25.713 2.417,31.342 ; 2.385,3.292 ccw(c4.129,2.146) 3.84,0.079 ; 2.413,31.3 cw(c4.157,32.446) 3.868,34.513 ; 3.75,34.536 77.745,34.536 ; 3.84,0.008 77.682,0.008 78.958,0.008 79.459,0.509 79.459,1.813 ccw(c77.393,2.112) 79.137,3.258 ; 77.745,34.513 cw(c77.456,32.446) 79.2,31.3 ; 79.133,3.216 79.529,8.845 ; 79.196,31.342 79.592,25.713 ; 79.587,8.808 cw(c80.159,8.744) 80.222,9.316 ; 79.615,25.658 ccw(c80.186,25.722) 80.25,25.15 ; 80.235,9.358 80.949,9.358 ; 80.3,25.15 80.964,25.15 ; 80.994,9.382 ccw(c81.058,9.954) 81.629,9.89 ; 80.994,25.162 cw(c81.058,24.59) 81.629,24.654 ; 81.512,15.557 cw(c82.539,17.335) 81.629,19.177 81.629,24.638 ; 81.629,9.906 81.629,15.5

## Text inside footprints (layer, text, board x,y; h text height)
CNTR: Top Overlay "12" at 64.135,4.064 h1.02; Top Overlay "11" at 64.135,1.524 h1.02; Top Overlay "1" at 47.625,1.524 h1.02; Top Overlay "2" at 47.371,4.064 h1.02
IRON: Top Overlay "4" at 66.95,26.868 h0.8 r270; Top Overlay "1" at 75.28,16.958 h0.8 r270; Top Overlay "2" at 75.07,26.318 h0.8 r270; Top Overlay "3" at 71.33,28.078 h0.8 r270; Top Overlay "6" at 66.98,16.808 h0.8 r270; Top Overlay "5" at 64.4,21.728 h0.8 r270; Top Overlay "7" at 71.42,15.528 h0.8 r270; Top Overlay "8" at 73.22,21.608 h0.8 r270
IRONPOW1: Top Overlay "1" at 70.916,30.734 h1.02 r180; Top Overlay "2" at 71.17,28.194 h1.02 r180; Top Overlay "5" at 62.026,30.734 h1.02 r180; Top Overlay "6" at 62.026,28.194 h1.02 r180